# Allegro board reComputer J401_V1.0.brd (continued)
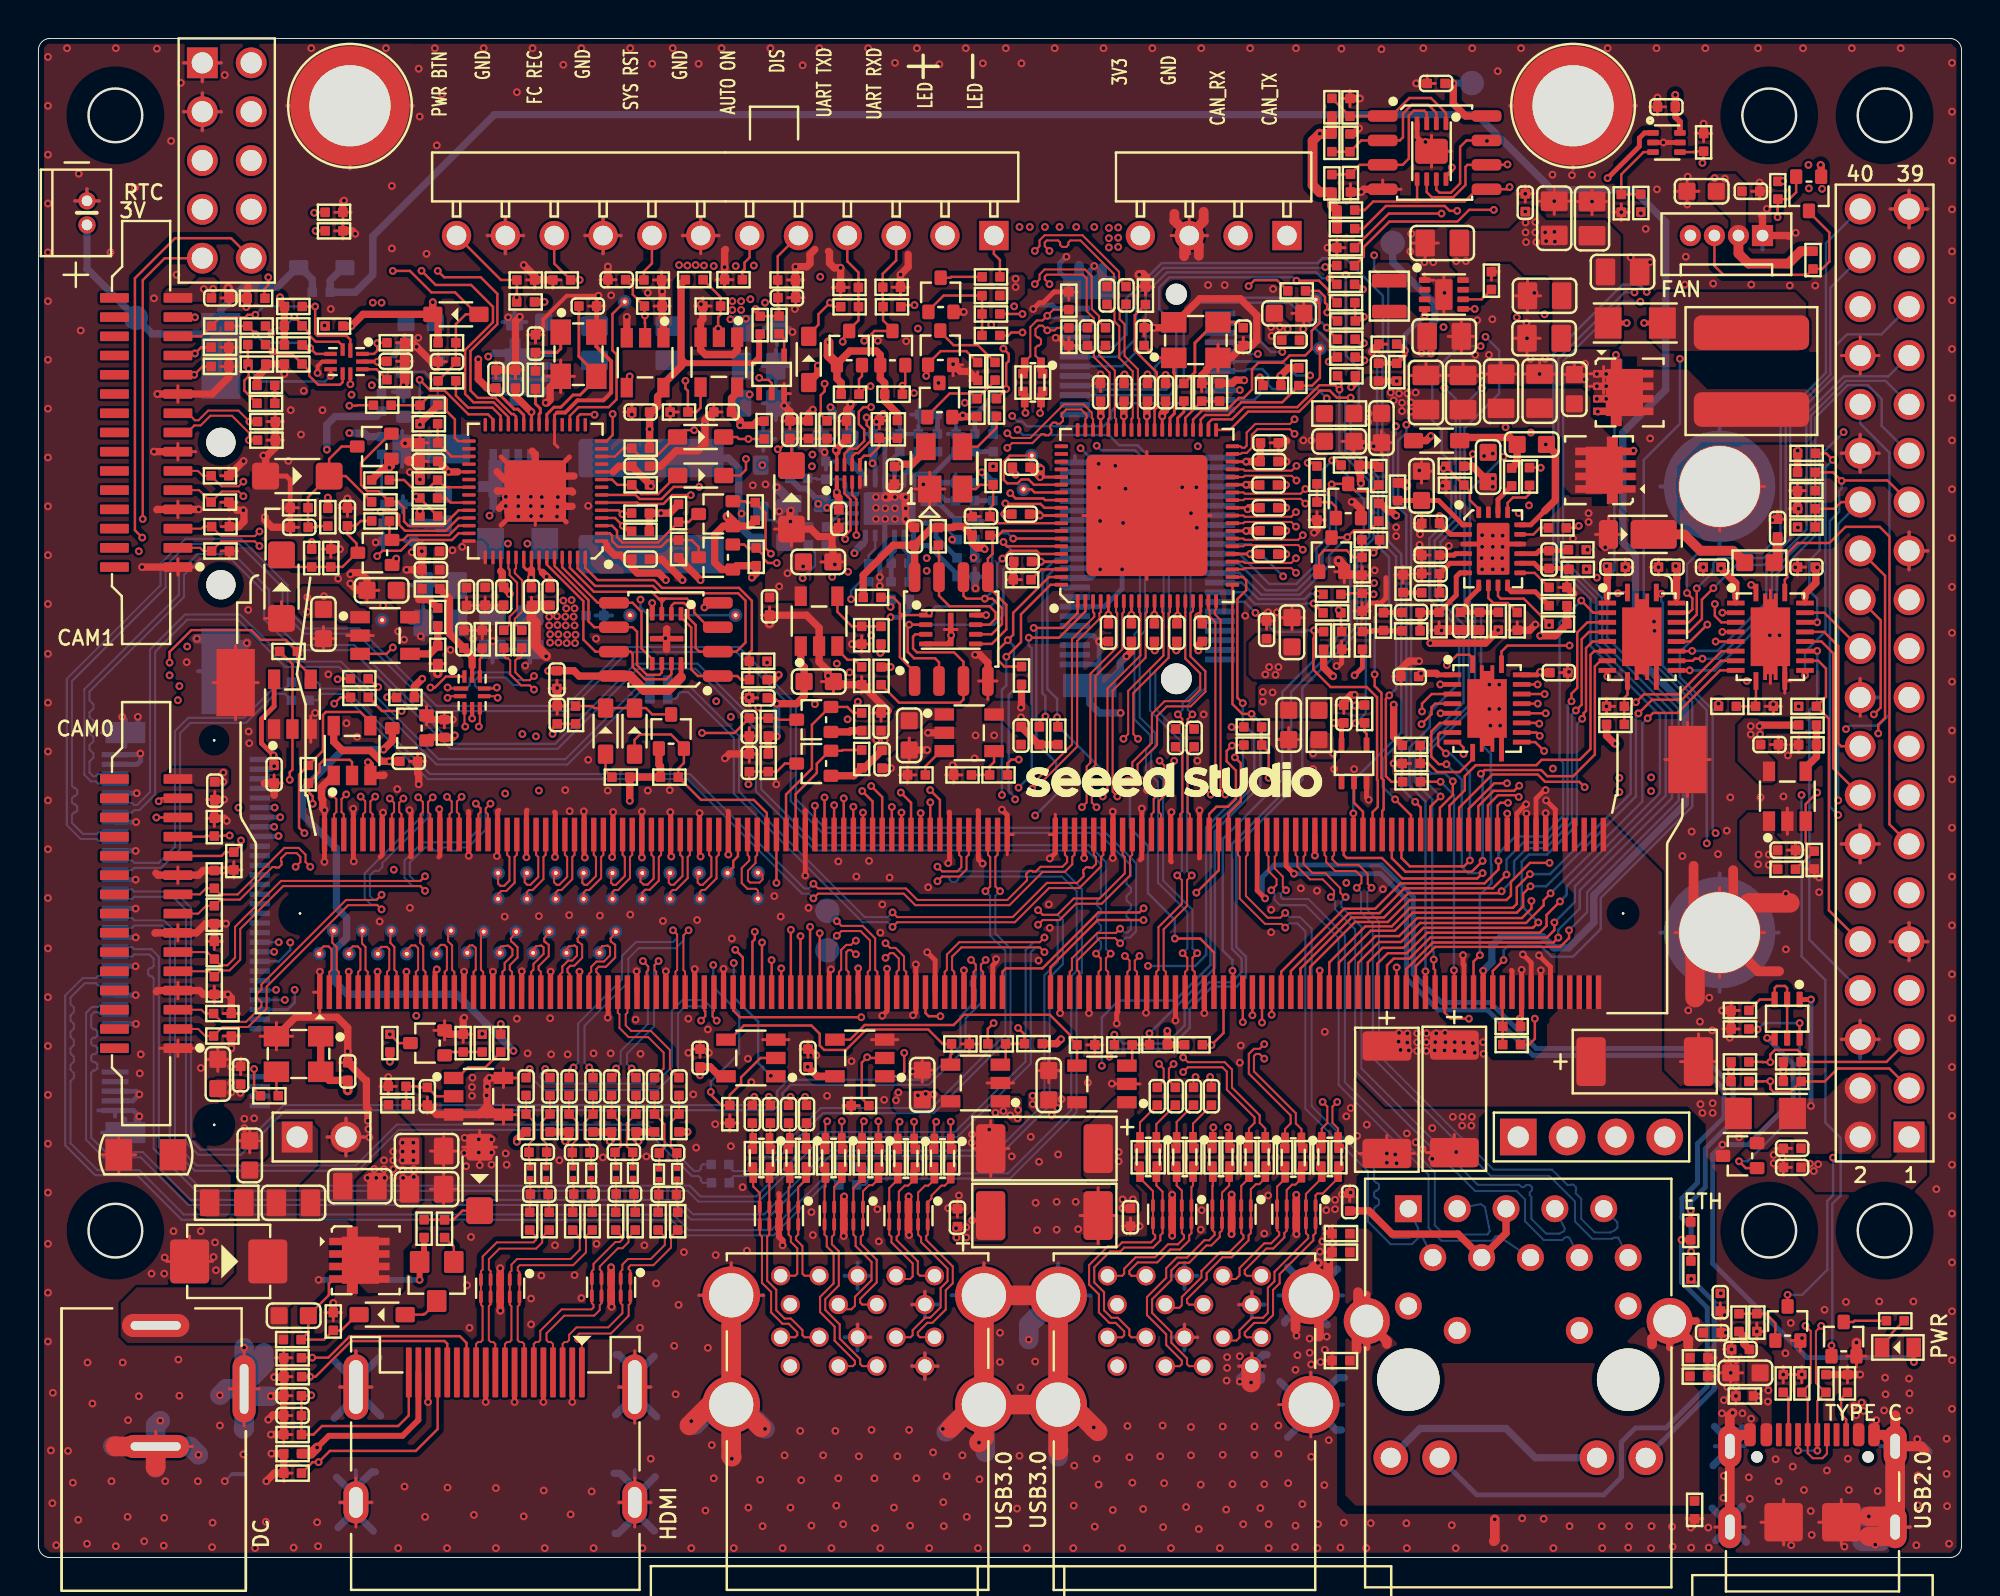
[diagram p0: board, top side]
## Routing (per net, layer and track width the routed paths; a pad name or vN(x,y) marks a point on that pad's centre or on a via; arc(x,y) is an arc through that point) (continued)
  TOP w0.127: U30.7 41.91,57.4 42.18,57.67 42.54,57.67 42.94,58.06 42.94,58.66 42.66,58.94 42.66,59.58 42.9,59.82 v1(43.29,59.82) ; v1(42.94,63.28) 43.22,63.56 43.24,63.56 43.47,63.79 Q28.3 44.41,63.85 43.92,64.34 R216.2 43.92,65.48 43.9,65.5 D45.2 43.9,66.76 44.6,67.46 J15.3
  LAY3 w0.127: v1(42.94,63.28) 42.66,63 42.66,60.85 43.29,60.22 v1(43.29,59.82)
UART2_TXD: length 77.2
  TOP w0.127: J11.236 75.38,39.12 75.89,39.64 76.89,39.64 v1(76.97,39.56) ; R175.2 42.67,61.28 42.82,61.44 Q27.2 ; R175.2 42.67,60.35 ; R175.2 43.09,60.92 v1(43.27,60.92) ; v1(42.53,53.17) 42.53,55.04 42.31,55.26 U30.3
  LAY3 w0.127: v1(77.61,58.5) 77.53,58.43 77.53,55.53 77.94,55.13 77.94,49.23 77.43,48.72 77.43,40.01 v1(76.97,39.56) ; v1(42.53,53.17) 42.53,55.3 43.45,56.22 45.15,56.22 45.81,56.87 45.81,58.99 43.88,60.92 v1(43.27,60.92)
  LAY4 w0.127: v1(43.27,60.92) 44.08,60.92 45.1,59.9 47.17,59.9 48.47,61.2 54.01,61.2 54.62,60.59 61.6,60.59 62.07,60.12 62.85,60.12 63.24,60.51 65.64,60.51 67.01,59.14 68.21,59.14 69.15,58.2 71.58,58.2 72.14,58.76 73.21,58.76 73.75,58.22 77.33,58.22 v1(77.61,58.5)
UART2_TXD_LS: length 13.6
  TOP w0.127: U30.6 42.31,57.27 42.48,57.44 42.63,57.44 43.27,58.07 43.27,58.69 43.07,58.9 v1(43.07,59.29) ; J15.4 42.06,67.41 42.64,66.83 D44.2 42.64,65.49 42.64,65.48 R215.2 42.64,64.34 42.16,63.85 Q27.3 42.16,63.72 41.82,63.38 v1(41.82,63.23)
  LAY3 w0.127: v1(43.07,59.29) 42.79,59.57 42.79,60.26 42.35,60.69 42.35,62.69 v1(41.82,63.23)
USB0_AP_N: length 33.9
  TOP w0.107: J11.109 41.63,30.46 41.74,30.57 41.74,31.59 42,31.86 42.25,31.86 42.47,32.08 v1(42.51,32.08) ; U20.6 23.8,44.79 v1(23.88,44.71)
  LAY3 w0.084: v1(42.51,32.08) 42.27,31.85 38.96,31.85 36.84,33.97 36.84,39.15 31.66,44.33 24.27,44.33 23.81,43.87 23.2,43.87 22.69,44.38 22.69,44.63 22.78,44.71 v1(23.88,44.71)
USB0_AP_P: length 33.8
  TOP w0.107: v1(21.27,44.71) 21.36,44.79 U20.2 ; v1(42.51,31.38) 42.47,31.38 42.25,31.59 42.12,31.59 42.01,31.48 42.01,30.57 42.12,30.46 J11.111
  LAY3 w0.084: v1(42.51,31.38) 42.27,31.61 38.87,31.61 36.61,33.87 36.61,39.05 31.56,44.09 24.37,44.09 23.91,43.64 23.1,43.64 22.46,44.28 22.46,44.63 22.37,44.71 v1(21.27,44.71)
USB0_VBUS_DET*: length 81.2
  TOP w0.127: J11.87 36.12,28.46 36.48,28.1 v1(42.79,28.1) ; Q1.3 v1(90.95,13.66)
  LAY3 w0.127: v1(42.79,28.1) 42.79,27.21 40.51,24.94 40.51,21.99 42.38,20.12 67.32,20.12 71.61,24.42 72.97,24.42 73.47,24.91 89.2,24.91 v1(93.32,20.8)
  BOTTOM w0.127: v1(93.32,20.8) 93.32,18.84 93.03,18.55 93.03,14.97 91.72,13.66 v1(90.95,13.66)
USB1_A_N: length 9.2
  TOP w0.107: R28.2 42.78,19.9 L10.3 42.83,19.68 42.38,19.23 U4.2 U4.9 42.38,16.8 42.49,16.68 42.49,16.2 43.32,15.37 43.32,14.42 42.46,13.56 42.46,13.09 42.28,12.91 41.84,12.91 J4.11
USB1_A_P: length 9.2
  TOP w0.107: R40.2 43.72,19.9 L10.2 43.68,19.68 43.37,19.37 43.19,19.37 42.88,19.05 U4.1 U4.10 42.88,16.8 42.76,16.68 42.76,16.31 43.59,15.49 43.59,14.31 42.73,13.45 42.73,13.26 42.84,13.16 J4.12
USB1_AP_N: length 43.1
  TOP w0.107: v1(41.52,32.34) 41.76,32.58 42.75,32.58 43.24,32.09 43.24,30.57 43.12,30.46 J11.115 ; v1(50.38,57.71) 50.62,57.95 51.69,57.95 52.15,58.42 52.3,58.42 52.37,58.36 52.52,58.36 52.67,58.51 52.67,58.66 52.61,58.72 52.61,58.87 52.76,59.03 52.91,59.03 52.97,58.96 53.12,58.96 53.27,59.11 53.27,59.26 53.21,59.33 53.21,59.48 53.44,59.71 54.22,59.71 54.5,59.43 54.5,59.28 54.44,59.21 U28.56
  LAY3 w0.084: v1(50.38,57.71) 50.13,57.96 49.41,57.96 47.76,56.32 47.76,53.96 48.12,53.6 48.12,51.64 47.08,50.6 47.08,40.67 47.46,40.29 47.46,39.27 43.17,34.99 43.17,33.72 42.05,32.6 41.78,32.6 v1(41.52,32.34)
  BOTTOM w0.107: TP43.1 41.02,31.84 v1(41.52,32.34)
USB1_AP_P: length 43
  TOP w0.107: J11.117 43.63,30.46 43.51,30.57 43.51,32.2 42.86,32.85 41.76,32.85 v1(41.52,33.09) ; v1(50.38,58.47) 50.62,58.22 51.57,58.22 53.33,59.98 54.34,59.98 54.77,59.54 54.77,59.28 54.84,59.21 U28.55
  LAY3 w0.084: v1(41.52,33.09) 41.78,32.83 41.96,32.83 42.94,33.81 42.94,35.08 47.22,39.37 47.22,40.2 46.84,40.57 46.84,50.7 47.88,51.74 47.88,53.5 47.53,53.86 47.53,56.42 49.31,58.2 50.11,58.2 v1(50.38,58.47)
  BOTTOM w0.107: v1(41.52,33.09) 41.02,33.59 TP41.1
USB1_B_N: length 10.1
  TOP w0.107: J3.11 58.76,12.99 59.32,12.99 59.46,13.12 59.46,13.55 60.47,14.57 60.47,14.9 61.45,15.88 61.94,15.88 62.66,16.61 62.66,16.76 62.54,16.87 U7.9 U7.2 62.54,19.33 62.95,19.73 L15.3 62.9,19.95 R46.2
USB1_B_P: length 10.1
  TOP w0.107: J3.12 59.83,13.15 59.73,13.26 59.73,13.44 60.74,14.46 60.74,14.79 61.57,15.61 62.05,15.61 62.93,16.49 62.93,16.76 63.04,16.87 U7.10 U7.1 63.04,19.15 63.31,19.42 63.48,19.42 63.79,19.73 L15.2 63.84,19.95 R52.2
USB2_A_N: length 12.4
  TOP w0.107: R27.2 40.92,20.26 L9.3 40.92,19.3 40.88,19.25 U4.5 U4.6 40.88,16.8 40.99,16.68 40.99,16.18 41.35,15.82 41.35,14.26 40.64,13.55 40.64,12.76 41.4,12.01 41.4,11.27 42.46,10.21 42.46,10.06 42.35,9.96 J4.2
USB2_A_P: length 12.6
  TOP w0.107: R39.2 41.77,20.26 L9.2 41.77,19.68 41.38,19.28 U4.4 U4.7 41.38,16.8 41.26,16.68 41.26,16.29 41.62,15.93 41.62,14.15 40.91,13.44 40.91,12.87 41.67,12.12 41.67,11.39 42.73,10.33 42.73,10.06 42.84,9.96 J4.3
USB2_AP_N: length 35.7
  TOP w0.107: v1(52.08,59.52) 52.08,59.65 52.14,59.7 L27.2 52.21,60.27 R184.2 ; J11.121 44.63,30.46 44.74,30.57 44.74,31.15 44.46,31.43 44.29,31.43 v1(44.05,31.19)
  LAY3 w0.084: v1(52.08,59.52) 51.84,59.27 51.84,58 49.8,55.96 49.8,52.17 48.2,50.58 48.2,39.03 45.05,35.88 45.05,31.98 44.52,31.45 44.31,31.45 v1(44.05,31.19)
USB2_AP_P: length 35.7
  TOP w0.107: v1(44.05,31.95) 44.29,31.7 44.57,31.7 45.01,31.26 45.01,30.57 45.12,30.46 J11.123 ; R183.2 51.2,60.28 L27.3 51.29,59.68 51.32,59.65 v1(51.32,59.53)
  LAY3 w0.084: v1(44.05,31.95) 44.31,31.69 44.43,31.69 44.82,32.08 44.82,35.97 47.97,39.12 47.97,50.68 49.56,52.27 49.56,56.06 51.6,58.1 51.6,59.25 v1(51.32,59.53)
USB2_B_N: length 13.9
  TOP w0.107: R45.2 61.02,19.95 L14.3 61.07,19.35 61.04,19.33 U7.5 U7.6 61.04,17.03 61.16,16.91 61.16,16.78 60.88,16.5 60.62,16.5 59.73,15.6 59.2,15.6 58.64,15.05 58.64,14.55 57.64,13.55 57.64,12.61 58.64,11.61 58.64,11.06 59.46,10.24 59.46,10.06 59.35,9.95 J3.2
USB2_B_P: length 14.1
  TOP w0.107: R51.2 61.96,19.95 L14.2 61.92,19.35 61.54,18.98 U7.4 U7.7 61.54,17.01 61.43,16.9 61.43,16.67 60.99,16.23 60.74,16.23 59.84,15.33 59.31,15.33 58.91,14.93 58.91,14.43 57.91,13.43 57.91,12.72 58.91,11.72 58.91,11.17 59.73,10.35 59.73,10.06 59.83,9.95 J3.3
USB3XI: length 5.7
  TOP w0.152: C152.1 58.13,62.39 X2.1 59.04,61.63 59.07,61.59 59.07,59.49 58.84,59.26 U28.45
USB3XO: length 1.6
  TOP w0.152: U28.44 59.24,59.26 59.56,59.58 R177.1
USB3XO_R: length 5.4
  TOP w0.152: R177.2 60.13,61.63 60.13,63.16 61.21,64.24 X2.3 62.37,64.24 C153.1
USB_BOOT: length 62
  TOP w0.127: v1(14.34,69.93) 14.36,69.96 D54.2 ; R117.2 v1(37.89,46.54)
  LAY3 w0.127: v1(40.65,66.61) 40.65,63.74 39.15,62.24 39.15,56.17 39.79,55.53 40.78,55.53 41.62,54.69 41.62,53.98 40.19,52.56 40.19,50.83 38.7,49.33 38.7,47.35 v1(37.89,46.54)
  LAY4 w0.127: v1(40.65,66.61) 40.26,66.61 40.15,66.71 35.52,66.71 35.49,66.75 29.01,66.75 28.59,66.33 28.2,65.95 27.8,65.95 27.01,66.73 22.34,66.73 19.72,69.35 14.92,69.35 v1(14.34,69.93) 13.19,71.08 13.19,71.61 12.59,72.22 12.59,74.56 12.33,74.81 12.33,76.46 J17.2
USB_DM: length 4.3
  TOP w0.107: R120.2 24.5,48.53 24.5,48.93 24.89,49.32 24.89,50.69 24.5,51.09 24.5,51.37 24.44,51.44 U29.46
USB_DP: length 4.3
  TOP w0.107: U29.47 24.84,51.44 24.77,51.37 24.77,51.2 25.16,50.81 25.16,49.21 24.77,48.82 24.77,48.59 R121.2
USB_MUX_OE*: length 1.5
  TOP w0.127: R119.1 23.08,46.85 22.95,46.73 U20.8
USB_MUX_SEL: length 37.1
  TOP w0.127: D43.2 11.75,65.52 11.75,65.97 11.95,66.17 v1(11.95,66.58) ; v1(20.38,45.24) 20.62,45.24 21.19,45.82 U20.10 ; R207.2 v1(14.88,64.07)
  LAY3 w0.127: v1(14.88,64.07) 16.88,62.07 16.88,47.89 19.52,45.24 v1(20.38,45.24)
  LAY4 w0.127: v1(14.88,64.07) 14.46,64.49 14.2,64.49 12.59,66.1 12.43,66.1 v1(11.95,66.58) 12.23,66.86 12.23,68.13 11.52,68.84 10.55,68.84 9.79,69.6 9.79,71.38 J17.5
USBSS1_RX_N: length 3.5
  TOP w0.107: TP45.1 23.96,31.66 24.06,31.78 24.42,31.83 24.54,31.73 24.65,31.63 24.65,31.32 24.24,30.92 24.24,30.57 24.12,30.46 J11.39
USBSS1_RX_P: length 3.6
  TOP w0.107: TP44.1 24.56,32.19 24.58,32.04 24.72,31.94 24.91,31.74 24.91,31.21 24.51,30.8 24.51,30.57 24.62,30.46 J11.41
USBSS1_TX_N: length 3.4
  TOP w0.107: J11.45 25.62,30.46 25.74,30.57 25.74,30.87 26.27,31.39 26.27,31.73 26.15,31.83 25.88,31.79 25.7,31.57 TP47.1
USBSS1_TX_P: length 3.6
  TOP w0.107: J11.47 26.12,30.46 26.01,30.57 26.01,30.75 26.53,31.28 26.53,31.87 26.37,31.99 26.37,31.99 26.31,32.04 26.31,32.04 26.29,32.19 TP46.1
USBSS2_RX_N: length 3.7
  TOP w0.107: TP49.1 27.44,31.6 27.58,31.79 27.88,31.83 28,31.74 28,31.3 27.75,31.04 27.54,31.04 27.24,30.74 27.24,30.44 27.12,30.32 J11.51
USBSS2_RX_P: length 3.8
  TOP w0.107: J11.53 27.62,30.33 27.51,30.45 27.51,30.63 27.66,30.78 27.86,30.78 28.27,31.19 28.27,31.87 28.05,32.04 28.03,32.19 TP48.1
USBSS2_TX_N: length 3.9
  TOP w0.107: TP51.1 29.15,31.59 29.3,31.79 29.6,31.83 29.72,31.73 29.72,31.32 29.4,31 29.02,31 28.74,30.72 28.74,30.46 28.62,30.35 J11.57
USBSS2_TX_P: length 4
  TOP w0.107: TP50.1 29.75,32.19 29.76,32.04 29.77,32.04 29.99,31.87 29.99,31.2 29.51,30.73 29.13,30.73 29.01,30.6 29.01,30.45 29.12,30.33 J11.59
USBSS_RX_A_CON1_N: length 7.4
  TOP w0.107: R30.2 45.6,19.89 L1.2 45.53,19.65 45.22,19.34 45.04,19.34 44.74,19.04 U5.4 U5.7 44.74,16.8 44.63,16.68 44.63,16.51 45.73,15.4 45.73,14.76 45.84,14.66 J4.14
USBSS_RX_A_CON1_P: length 7.4
  TOP w0.107: R29.2 44.66,19.85 L1.3 44.68,19.65 44.24,19.21 U5.5 U5.6 44.24,16.8 44.36,16.68 44.36,16.39 45.46,15.29 45.46,14.62 45.33,14.49 44.77,14.49 J4.15
USBSS_RX_A_CON2_N: length 11.8
  TOP w0.107: J4.5 45.84,11.46 45.73,11.56 45.73,11.71 46.22,12.21 46.49,12.21 47.18,12.9 47.18,13.9 47.54,14.26 47.54,15.14 46.16,16.52 46.16,16.72 46.24,16.8 U5.10 U5.1 46.24,18.48 46.44,18.68 46.44,18.83 46.95,19.34 47.12,19.34 47.44,19.65 L2.2 47.49,19.88 R34.2
USBSS_RX_A_CON2_P: length 11.7
  TOP w0.107: J4.6 45.35,11.46 45.46,11.56 45.46,11.83 46.11,12.48 46.38,12.48 46.91,13.01 46.91,14.01 47.27,14.37 47.27,15.03 45.89,16.41 45.89,16.64 45.74,16.8 U5.9 U5.2 45.74,18.98 46.1,19.34 46.27,19.34 46.59,19.65 L2.3 46.55,19.87 R33.2
USBSS_RX_B_CON1_N: length 8.1
  TOP w0.107: J3.14 62.83,14.65 62.73,14.76 62.73,14.94 63.85,16.07 64.21,16.07 64.79,16.65 64.79,16.88 64.91,17 U8.7 U8.4 64.91,19.11 65.19,19.39 65.36,19.39 65.67,19.7 L11.2 65.75,19.95 R53.2
USBSS_RX_B_CON1_P: length 8
  TOP w0.107: R47.2 64.81,19.9 L11.3 64.82,19.7 64.41,19.29 U8.5 U8.6 64.41,17.02 64.52,16.91 64.52,16.76 64.1,16.34 63.74,16.34 62.46,15.06 62.46,14.68 62.27,14.49 61.76,14.49 J3.15
USBSS_RX_B_CON2_N: length 12.2
  TOP w0.107: R54.2 67.63,19.95 L16.2 67.58,19.73 66.78,18.93 66.51,18.93 66.41,18.83 U8.1 U8.10 66.41,16.87 66.29,16.76 66.29,16.49 64.54,14.74 64.54,14.26 64.2,13.91 64.2,12.61 63.79,12.2 63.22,12.2 62.73,11.71 62.73,11.56 62.83,11.45 J3.5
USBSS_RX_B_CON2_P: length 12.1
  TOP w0.107: J3.6 61.76,11.28 62.29,11.28 62.46,11.45 62.46,11.82 63.11,12.47 63.68,12.47 63.93,12.72 63.93,14.03 64.27,14.37 64.27,14.85 66.02,16.61 66.02,16.76 65.91,16.87 U8.9 U8.2 65.91,18.91 66.73,19.73 L16.3 66.69,19.95 R48.2
USBSS_RX_HUB_N: length 4.9
  TOP w0.107: C151.2 55.16,62.7 55.16,62.54 55.97,61.73 55.97,59.28 56.04,59.21 U28.52
USBSS_RX_HUB_P: length 4.9
  TOP w0.107: U28.53 55.64,59.21 55.7,59.28 55.7,61.61 54.89,62.43 54.89,62.69 C150.2
USBSS_RX_N: length 54.6
  TOP w0.107: C161.1 56.19,66.46 56.19,66.86 54.29,68.77 52.32,68.77 52.06,68.5 52.06,68.2 v1(51.81,67.95) ; J11.161 56.62,30.46 56.74,30.57 56.74,31.04 v1(56.5,31.29)
  LAY3 w0.084: v1(56.5,31.29) 56.76,31.55 56.76,34.94 57.59,35.77 57.59,36.86 59.07,38.34 61.28,38.34 62.62,39.68 62.62,43.39 61.1,44.91 61.1,46.99 59.58,48.51 59.58,49.4 58.84,50.15 58.84,56.9 56.93,58.81 56.93,64.1 53.98,67.04 52.31,67.04 52.07,67.28 52.07,67.69 v1(51.81,67.95)
USBSS_RX_P: length 54.4
  TOP w0.107: v1(52.57,67.95) 52.33,68.2 52.33,68.39 52.43,68.5 53.02,68.5 53.13,68.39 53.13,68.26 53.23,68.16 53.45,68.16 53.55,68.26 53.55,68.39 53.66,68.5 54.18,68.5 55.92,66.75 55.92,66.49 55.56,66.13 C160.1 ; J11.163 57.12,30.46 57.01,30.57 57.01,31.04 v1(57.25,31.29)
  LAY3 w0.084: v1(52.57,67.95) 52.31,67.69 52.31,67.37 52.41,67.27 52.62,67.27 52.71,67.36 52.71,67.44 52.79,67.52 52.96,67.52 53.04,67.44 53.04,67.36 53.13,67.27 54.08,67.27 57.16,64.19 57.16,58.91 59.07,57 59.07,50.24 59.82,49.5 59.82,48.61 61.34,47.09 61.34,45.01 62.86,43.48 62.86,39.58 61.38,38.11 59.17,38.11 57.82,36.76 57.82,35.67 56.99,34.84 56.99,31.55 v1(57.25,31.29)
USBSS_TX_A_CON1_N: length 6.8
  TOP w0.107: J4.17 39.84,14.66 39.73,14.76 39.73,16.19 39.39,16.53 39.39,16.68 39.51,16.8 U3.10 U3.1 39.51,19.27 39.92,19.68 L8.2 39.93,19.87 R41.2
USBSS_TX_A_CON1_P: length 6.7
  TOP w0.107: J4.18 39.35,14.66 39.46,14.76 39.46,16.08 39.12,16.42 39.12,16.68 39.01,16.8 U3.9 U3.2 39.01,19.24 39.07,19.3 L8.3 38.99,19.93 R42.2
USBSS_TX_A_CON2_N: length 10.7
  TOP w0.107: R32.2 38.07,19.91 L7.2 38.01,19.3 38.01,19.29 U3.4 U3.7 38.01,16.8 37.89,16.68 37.89,14.4 38.37,13.92 38.37,12.86 38.8,12.43 39.13,12.43 39.73,11.83 39.73,11.56 39.84,11.46 J4.8
USBSS_TX_A_CON2_P: length 10.8
  TOP w0.107: J4.9 39.35,11.46 39.46,11.56 39.46,11.71 39.01,12.16 38.69,12.16 38.1,12.75 38.1,13.81 37.62,14.28 37.62,16.68 37.51,16.8 U3.6 U3.5 37.51,18.95 37.16,19.3 L7.3 37.13,19.89 R31.2
USBSS_TX_B_CON1_N: length 8.8
  TOP w0.107: J3.17 56.83,14.65 56.73,14.76 56.73,14.91 57.17,15.35 58.18,15.35 58.85,16.02 59.36,16.02 59.84,16.49 59.84,16.76 59.95,16.87 U6.10 U6.1 59.95,19.27 60.04,19.35 L13.2 60.08,19.95 R50.2
USBSS_TX_B_CON1_P: length 8.9
  TOP w0.107: R44.2 59.14,19.95 L13.3 59.19,19.35 59.45,19.08 U6.2 U6.9 59.45,16.87 59.57,16.76 59.57,16.61 59.25,16.29 58.74,16.29 58.07,15.62 57.05,15.62 56.46,15.02 56.46,14.76 56.35,14.65 J3.18
USBSS_TX_B_CON2_N: length 13.5
  TOP w0.107: R49.2 58.18,19.95 L12.2 58.13,19.35 58.45,19.03 U6.4 U6.7 58.45,16.87 58.34,16.76 58.34,16.49 57.97,16.12 56.46,16.12 56.26,15.92 55.72,15.92 54.9,15.09 54.9,14.31 55.41,13.8 55.41,12.86 55.8,12.47 56.13,12.47 56.73,11.87 56.73,11.56 56.83,11.45 J3.8
USBSS_TX_B_CON2_P: length 13.6
  TOP w0.107: J3.9 56.35,11.45 56.46,11.56 56.46,11.76 56.02,12.2 55.69,12.2 55.14,12.75 55.14,13.69 54.63,14.2 54.63,15.21 55.61,16.19 56.15,16.19 56.35,16.39 57.85,16.39 58.07,16.61 58.07,16.76 57.95,16.87 U6.6 U6.5 57.95,19.06 57.28,19.73 L12.3 57.24,19.95 R43.2
USBSS_TX_HUB_N: length 7.1
  TOP w0.107: U28.49 57.24,59.21 57.17,59.28 57.17,61.8 56.48,62.49 56.48,64.14 56.22,64.4 56.22,64.84 C161.2
USBSS_TX_HUB_P: length 7.1
  TOP w0.107: C160.2 55.95,64.78 55.95,64.28 56.21,64.03 56.21,62.38 56.9,61.68 56.9,59.28 56.84,59.21 U28.50
USBSS_TX_N: length 38.5
  TOP w0.107: v1(58.3,41.43) 58.54,41.19 58.54,40 57.99,39.44 57.99,38.77 57.87,38.66 J11.166 ; v1(51.81,66.23) 52.06,66.47 52.06,66.72 52.32,66.99 54.42,66.99 54.77,66.63 54.77,64.93 55.15,64.55 55.15,64.29 C151.1
  LAY3 w0.084: v1(51.81,66.23) 52.07,65.96 52.07,65.57 54.44,63.2 54.44,58.98 57.28,56.14 57.28,44 58.56,42.72 58.56,41.7 v1(58.3,41.43)
USBSS_TX_P: length 38.3
  TOP w0.107: v1(59.06,41.43) 58.81,41.19 58.81,39.89 58.26,39.33 58.26,38.77 58.37,38.66 J11.168 ; v1(52.57,66.23) 52.33,66.47 52.33,66.61 52.43,66.72 54.31,66.72 54.51,66.52 54.51,64.82 54.88,64.44 54.88,64.29 C150.1
  LAY3 w0.084: v1(52.57,66.23) 52.31,65.96 52.31,65.67 52.54,65.44 52.66,65.44 52.69,65.47 52.81,65.47 52.93,65.35 52.93,65.23 52.9,65.2 52.9,65.08 53.01,64.96 53.13,64.96 53.17,65 53.28,65 53.4,64.88 53.4,64.76 53.37,64.73 53.37,64.61 53.49,64.49 53.61,64.49 53.64,64.52 53.76,64.52 53.88,64.4 53.88,64.29 53.84,64.25 53.84,64.13 54.68,63.3 54.68,59.08 57.52,56.24 57.52,44.1 58.8,42.82 58.8,41.7 v1(59.06,41.43)
USBSUS: length 2
  TOP w0.127: U28.64 51.8,55.39 51.64,55.55 TP33.1
W_DISABLE1: length 11.5
  TOP w0.127: R142.2 69.22,53.42 68.41,53.42 v1(68.06,53.07) 68.03,53.04 Q19.3
  BOTTOM w0.127: J20.56 62.46,51.2 63.59,50.07 65.6,50.07 67.12,51.6 67.12,52.13 v1(68.06,53.07)
W_DISABLE1_CTRL: length 42.2
  TOP w0.127: R266.1 69.74,52.57 v1(69.43,52.26) ; J11.128 v1(46.37,39.28)
  LAY3 w0.127: v1(46.37,39.28) 46.1,39.55 46.06,39.55 45.53,40.09 45.53,48.25 45.66,48.37 45.66,50.78 v1(46.19,51.32)
  LAY4 w0.127: v1(46.19,51.32) 46.72,51.85 46.72,52.95 47.14,53.37 50.3,53.37 51.85,54.92 63.87,54.92 64.78,54.01 65.23,54.01 65.24,54 68.6,54 69.43,53.17 v1(69.43,52.26)
W_DISABLE2: length 13.8
  TOP w0.127: v1(67.25,55.81) 67.27,55.84 Q22.3 68.49,55.46 69.37,55.46 R152.2
  BOTTOM w0.127: J20.54 62.42,51.7 63.82,50.3 65.44,50.3 66.76,51.62 66.76,52.33 67.47,53.04 67.47,55.58 v1(67.25,55.81)
WIFI_EN: length 4.3
  TOP w0.127: R266.2 68.82,52.49 68.83,52.47 R267.1 68.39,52.01 68.02,52.38 66.86,52.38 66.6,52.12 Q19.1
YELLOW_LED: length 11.3
  BOTTOM w0.254: v1(85.94,14.49) 87.13,13.29 87.13,8.74 J6.18
N25850412: length 4.5
  TOP w0.127: U19.10 74.58,41.53 73.9,40.85 72.73,40.85 72.29,41.3 R90.2 R96.2
N25851230: length 2.3
  TOP w0.127: R110.2 R107.2 89.29,44.71 89.31,44.73 U21.10
N25852172: length 2.3
  TOP w0.127: U37.10 82.63,44.87 82.46,44.71 R158.2 R159.2
N25927437: length 1.9
  TOP w0.127: LED1.2 95.87,11.05 96.38,11.57 96.38,11.68 R8.1
N25927478: length 2.2
  TOP w0.127: Q2.3 94.38,12.25 94.44,12.31 R8.2
N25946676: length 2.2
  TOP w0.127: Q31.3 47.42,66.56 47.47,66.6 R230.2
N25979746: length 8.1
  TOP w0.127: D38.2 40.06,63.61 40.56,64.11 40.56,64.66 v1(41.16,65.26) 41.16,65.21 41.33,65.04 R215.1 ; R216.1 44.93,65.13 v1(45.55,65.13)
  LAY4 w0.127: v1(45.55,65.13) 41.29,65.13 v1(41.16,65.26)
N26055734: length 3.2
  TOP w0.152: R185.1 25.84,62.21 25.85,62.21 C147.1 26.96,62.67 27.16,62.86 X1.1
N26086243: length 2.9
  TOP w0.127: R162.1 R155.1 21.47,57.26 U29.31
N26086803: length 4.7
  TOP w0.127: U29.35 21.36,55.66 21.35,55.67 21.13,55.67 R148.1 20.71,56.04 20.27,55.6 19.45,55.6 19.01,56.04 R143.1
N26280660: length 8.7
  TOP w0.127: TP37.1 29.85,64.67 29.85,62.78 30.06,62.57 30.06,60.23 29.65,59.82 28.08,59.82 27.64,59.38 U29.17
N26376527: length 4.2
  TOP w0.127: R270.1 82.76,70.9 82.75,70.89 R203.1 82.31,71.93 83.46,73.09 U11.3
N26991327: length 1.3
  TOP w0.127: OSC1.3 12.37,24.11 R268.1
N27061287: length 1.5
  TOP w0.127: v1(89.45,8.67) 89.19,8.42 D5.2
  TOP w0.381: C3.1 88.68,11.11 88.68,11.49 R4.1
  vias: v1(89.47,8.14) v1(89.95,8.69) v1(89.93,8.11) v1(94.4,7.88) v1(94.52,7.4) v1(94.8,8.06) v1(94.91,7.63)
N27061303: length 3
  TOP w0.127: R4.2 88.91,12.68 88.92,12.68 R7.1 89.83,12.68 90.32,12.19 Q1.1
N27077930: length 3.1
  TOP w0.127: D53.2 22.05,18.04 21.57,17.56 R257.1 20.68,17.56 20.67,17.57 R259.2
N27077935: length 1.5
  TOP w0.127: R257.2 21.6,16.16 Q35.1
N27077990: length 2
  TOP w0.127: Q35.3 20.71,13.28 20.1,12.66 20.03,12.66 20,12.63 D52.1
N27078074: length 7.7
  TOP w0.127: Q34.4 15.35,14.49 15.1,14.23 15.1,13.64 C167.2 14.03,11.71 R260.2 14.85,11.33 R258.1 15.75,11.81 16.57,12.63 D52.2
N27107328: length 3.6
  TOP w0.127: Q29.3 46.9,63.74 47.58,63.05 48.85,63.05 R190.2
N27107353: length 4.7
  TOP w0.127: 48.86,60.26 R171.1 ; R171.1 49.74,61.2 R190.1 ; R171.1 48.53,60.54 47.38,60.54 46.22,59.37 Q26.1
N27107904: length 8.6
  TOP w0.127: v1(40.88,61.04) 40.88,60.65 40.68,60.45 40.68,59.44 R165.1 ; Q26.3 v1(46.8,61.08)
  LAY4 w0.127: v1(40.88,61.04) 41.41,61.58 45.35,61.58 45.88,61.04 46.36,61.04 46.41,61.08 v1(46.8,61.08)
N27110960: length 1.2
  TOP w0.127: R212.2 38.78,63.37 U33.4
N27125534: length 1.7
  TOP w0.127: R219.1 75.04,65.43 U38.6
N27707013: length 3
  TOP w0.127: U43.1 21.78,24.94 22.34,25.5 23.25,25.5 R269.1
N28330871: length 1.7
  TOP w0.127: R282.1 21.2,55.1 21.44,54.86 U29.37
N28376666: length 3.4
  TOP w0.127: U27.4 41.55,49.18 42.29,48.43 R122.1 R123.2
N28376672: length 1.8
  TOP w0.127: R114.1 42.44,46.69 42.07,46.69 41.55,47.21 U27.3
N28376909: length 2.3
  TOP w0.127: R86.1 R87.2 49.46,41.14 49.69,41.37 U18.4
N28376915: length 1.8
  TOP w0.127: U18.3 46.91,41.94 46.12,41.14 R85.1
N28376973: length 1.3
  TOP w0.127: D20.1 29.49,40.92 R83.2
N28376991: length 2
  TOP w0.127: R11.1 R12.1 21.29,26.29 Q3.1
N28388800: length 3.9
  BOTTOM w0.127: R14.2 39.59,53.59 C24.1 38.81,53.47 38.32,53.95 37.93,53.95 37.57,54.31 D56.2
N28388966: length 24.9
  LAY4 w0.254: v1(25.42,52.73) 25.42,52.72 25.24,52.54 25.24,52.18 25.41,52 28.79,52 29.81,50.99 29.81,48.75 30.39,48.17 31.43,48.17 31.89,48.62 34.72,48.62 35.25,48.09 39.13,48.09 40.4,49.36 43.78,49.36 43.85,49.44 v1(44.31,49.44)
  BOTTOM w0.254: R23.1 v1(25.42,52.73) ; R36.1 44.33,49.56 44.31,49.54 v1(44.31,49.44)
N28389221: length 1.5
  BOTTOM w0.508: R25.2 20.16,53.76 20.15,53.77 C72.1
N28389223: length 2.3
  BOTTOM w0.254: R26.2 49.04,59.75 49.04,59.74 R65.1 48.69,59.38 R68.1
N28389375: length 1
  BOTTOM w0.254: R65.2 49.64,59.37 C184.1
N28389559: length 1
  BOTTOM w0.254: R95.1 46.75,59.43 C185.2
N28391241: length 4.6
  TOP w0.381: D58.2 73.91,58.08 74.08,58.25 76.53,58.25 C119.1 76.89,56.94 R157.2
N28391410: length 14
  TOP w0.254: R204.1 v1(80.55,52.41) ; R161.1 v1(83.49,64.2)
  LAY3 w0.254: v1(83.49,64.2) 83.49,64.2 83.2,63.91 83.2,59.47 81.52,57.8 81.52,53.38 v1(80.55,52.41)
N28391647: length 1.4
  TOP w0.508: R180.2 90.43,51.92 C178.1
N28391649: length 2.1
  TOP w0.254: R191.2 69.35,48.16 69.41,48.21 R248.1 69.96,48.19 R250.1
N28391801: length 1
  TOP w0.254: R248.2 69.95,49.15 C181.1
N28392021: length 1
  TOP w0.254: C182.2 70.97,50.17 R276.1
N28495699: length 4.1
  TOP w0.102: J11.90 36.87,36.53 36.96,36.45 36.96,36.25 36.57,35.85 36.57,35.08 36.87,34.78 37.31,34.78 37.41,34.68 TP53.1
N28495700: length 2.2
  TOP w0.127: J11.88 36.37,36.47 36.13,36.23 36.13,35.89 TP54.1
N28495701: length 4
  TOP w0.102: TP52.1 37.53,35.61 37.65,35.49 37.65,35.26 37.49,35.1 37,35.1 36.89,35.21 36.89,35.72 37.29,36.11 37.29,36.45 37.37,36.53 J11.92

## Copper pours and planes (outline as drawn; the poured copper is in the pictures)
3V3_LDO on TOP: 19.85,48.75 19.85,49.74 20.03,49.92 20.03,50.58 19.9,50.71 18.35,50.71 18.2,50.55 18.2,49.94 18.81,49.33 18.81,48.72 18.99,48.55 19.65,48.55
3V3_MCU on TOP: 23.05,52.89 22.03,52.89 21.73,52.59 20.64,52.59 20.54,52.48 20.54,50.6 21.27,49.87 21.6,49.87 21.96,50.22 23.46,50.22 23.71,50.48 23.71,52.28 23.66,52.33 23.58,52.33 23.56,52.31 23.56,51.7 23.51,51.65 23.35,51.65 23.3,51.7 23.3,52.64
3V3_MCU on LAY3: 24.42,65.67 18.94,65.67 17.49,64.22 17.49,52.66 18.38,51.77 21.63,51.77 22.52,52.66 32.55,52.66 32.65,52.76 32.65,55.71 32.19,56.17 28.28,56.17 26,58.45 26,60.66 24.98,61.68 24.98,65.11
GND on TOP: 86.96,42.1 89.01,40.04 90.46,40.04 90.64,40.22 90.64,41.49 90.26,41.87 90.26,42.6 90.36,42.7 91.63,42.7 91.73,42.6 91.73,41.87 91.38,41.51 91.38,40.32 91.53,40.16 92.7,40.16 92.82,40.04 92.82,30.77 92.09,30.03 89.47,30.03 88.18,28.73 88.18,26.35 87.97,26.14 87.64,26.14 87.54,26.04 87.54,25 87.11,24.57 85.48,24.57 84.67,25.38 84.67,36.46 85.05,36.84 87.31,36.84 88.77,35.38 90.7,35.38 91.12,35.8 91.12,37.04 90.64,37.52 90.64,38.84 90.44,39.05 88.61,39.05 88.05,38.49 88.05,37.75 87.82,37.52 85.38,37.52 84.42,38.49 84.42,42.98 84.57,43.14 84.57,43.29 84.7,43.42 86.8,43.42 86.96,43.26
GND on TOP: 68.34,58.61 68.03,58.3 68.03,57.59 68.29,57.34 70.01,57.34 70.12,57.23 70.12,56.45 70.52,56.04 72.2,56.04 72.86,55.38 73.24,55.38 73.39,55.53 73.39,56.04 73.27,56.17 72.96,56.17 72.71,56.42 72.71,57.16 72.45,57.41 71.08,57.41 70.83,57.67 70.83,58.33 70.55,58.61
GND on TOP: 17.16,23.58 15.66,23.58 15.18,23.1 15.18,21.42 15.53,21.06 17.23,21.06 17.56,21.39 17.56,23.17
GND on TOP: 71.34,69.07 72.81,69.07 72.96,68.92 72.96,67.29 73.52,66.73 73.52,64.93 73.88,64.57 74.99,64.57 75.22,64.8 75.22,65.21 75.5,65.49 75.96,65.49 76.16,65.69 76.16,66.45 75.98,66.63 75.6,66.63 75.45,66.78 75.45,67.11 75.55,67.22 76.47,67.22 77.28,66.4 78.09,66.4 78.32,66.17 78.32,62.72 78.7,62.34 81.6,62.34 81.93,62.01 81.93,60.26 81.72,60.05 81.06,60.05 80.89,60.23 80.89,60.71 80.58,61.02 75.35,61.02 75.32,60.99 71.79,60.99 71.54,61.25 71.54,61.93 71.72,62.11 72.66,62.11 73.14,62.59 73.14,64.17 72.66,64.65 72.66,65.11 72.45,65.31 71.94,65.31 71.87,65.39 71.87,65.49 71.94,65.56 72.48,65.56 72.55,65.64 72.55,66.17 72.43,66.3 71.94,66.3 71.84,66.4 71.84,67.37 71.18,68.03 71.18,68.92
GND on TOP: 10.45,21.39 10.45,22.74 10.73,23.02 11.44,23.02 11.75,22.71 11.75,21.37 11.59,21.22 10.63,21.22
GND on TOP: 45.63,53.37 44.41,53.37 42.38,51.34 41.19,51.34 40.86,51.67 40.86,52.05 40.32,52.59 38.44,52.59 38.21,52.81 38.21,53.55 38.24,53.58 38.24,54.64 37.65,55.23 36.97,55.23 36.79,55.4 36.79,55.86 36.99,56.07 38.26,56.07 38.95,55.38 40.75,55.38 41.01,55.13 41.01,54.03 41.26,53.78 42.58,53.78 42.73,53.93 42.73,55.23 42.63,55.33 42.63,55.91 42.84,56.12 46.42,56.12 46.72,55.81 46.72,54.46
GND on TOP: 89.45,57.77 87.26,57.77 85.56,56.07 85.56,54.13 86.4,53.3 88.66,53.3 90.03,54.67 90.03,57.18
GND on TOP: 10.88,25.43 10.88,26.93 10.53,27.29 10.07,27.29 9.82,27.03 9.82,26.83 9.71,26.73 1.71,26.73 0.9,25.92 0.9,15.15 1.59,14.46 9.13,14.46 9.51,14.84 9.51,16.52 5.83,20.2 5.83,21.98 6.16,22.31 7.71,22.31 7.99,22.59 7.99,24.72 8.57,25.31 10.76,25.31
